# Altium PCB F21-SEND-CTM - BOM.PcbDoc
Units mm, origin at the board's own origin, x right, y up, seen from the top; angles counter-clockwise.
Board outline 337.44 x 192.41 mm, 2 copper layers (Top Layer, Bottom Layer); 49 components, 1 nets, 160 pads, 250 vias.
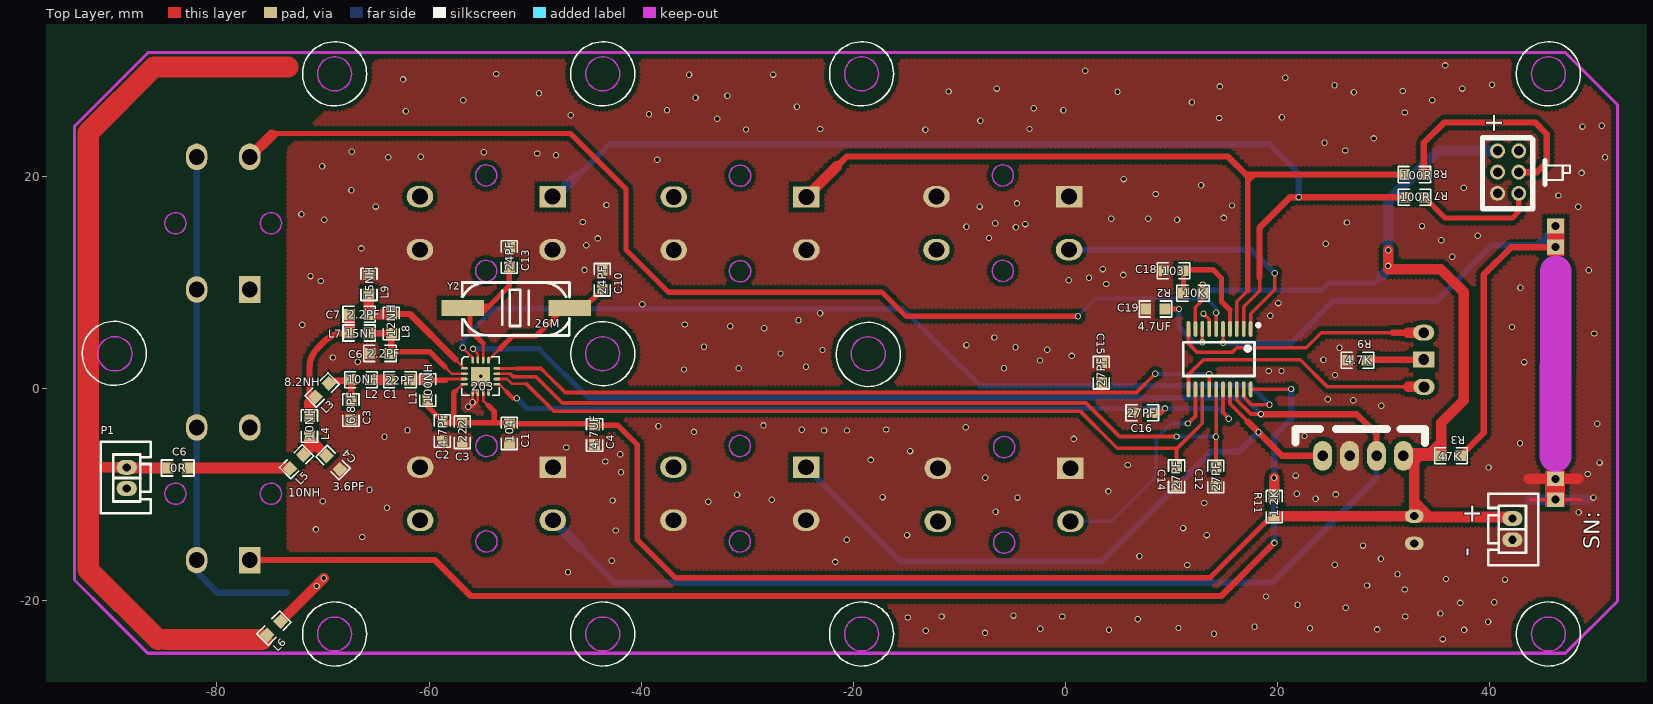
[diagram p0: Top Layer view]
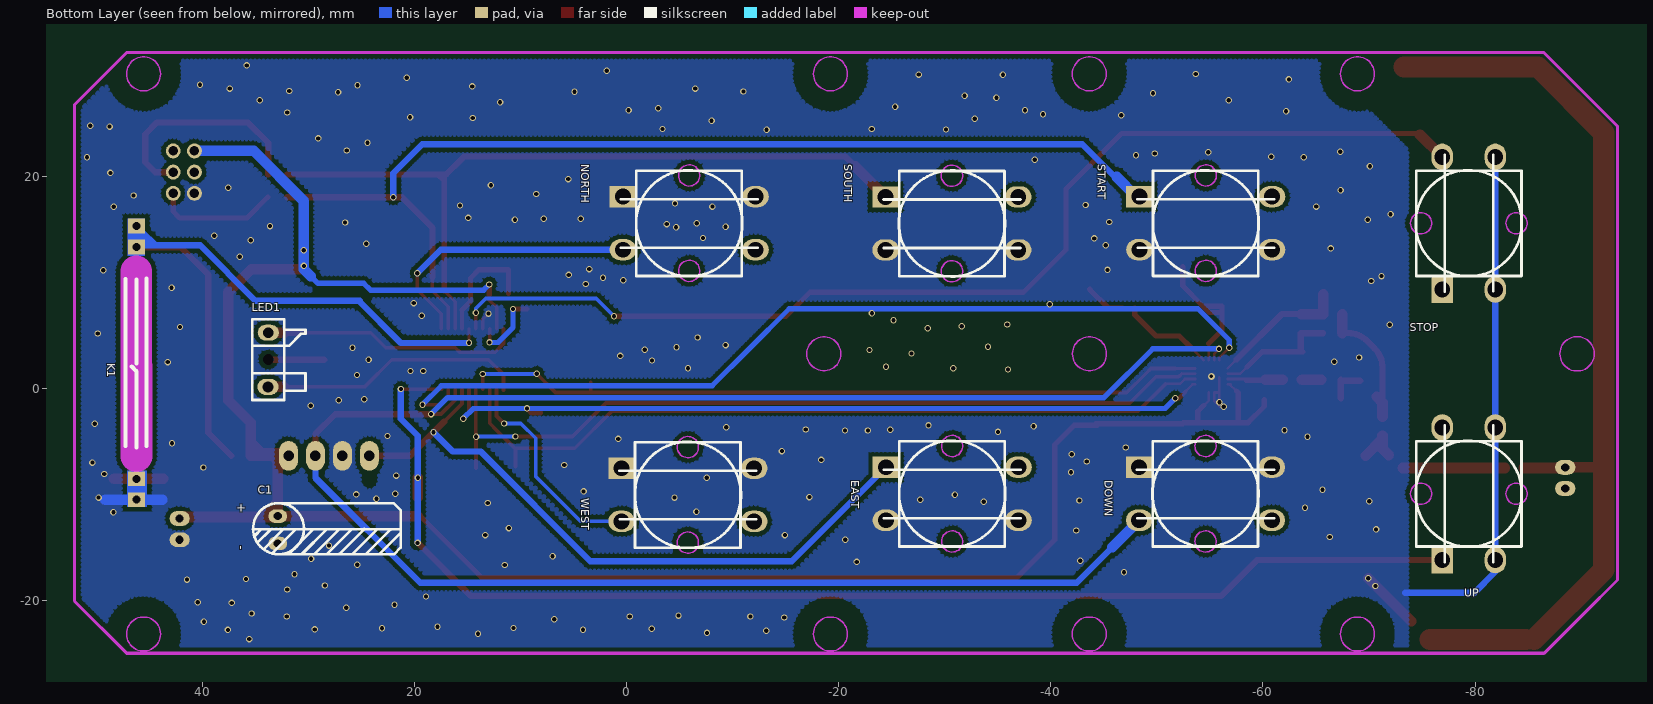
[diagram p1: Bottom Layer view, seen from below]

## Layer stack, top to bottom
Top Layer: signal copper 0.0356
Dielectric: dielectric 0.32, FR-4, Dk 4.8
Bottom Layer: signal copper 0.0356

## Board outline
-171.072,-92.295 166.367,-92.295 166.367,100.11 -171.072,100.11

## Design rules (kind name [scope] priority, off if disabled: settings)
Clearance Clearance_1 [InNamedPolygon('Bottom Layer-No Net')] p1: gap=0.4
Clearance [All] p2: gap=0.4
PolygonConnect PolygonConnect_1 [All vs IsNamedPolygon('Bottom Layer-No Net')] p1: connectstyle=Direct reliefconductorwidth=0.254 reliefentries=4 polygonreliefangle="90 Angle"
PolygonConnect [All] p2: connectstyle=Relief reliefconductorwidth=0.254 reliefentries=4 polygonreliefangle="90 Angle"
RoutingVias [All] p1: holewidth=0.457 width=0.762 viastyle="Through Hole" minholewidth=0.457 minwidth=0.762 maxholewidth=0.711 maxwidth=1.27
SilkscreenOverComponentPads [All] p1: minsilkscreentomaskgap=0.254
SolderMaskExpansion [All] p1: expansion=0.102
Width [All] p1: maxlimit=3 minlimit=0.203 preferedwidth=0.508
27 further rules are at their usual default settings.

## Classes and differential pairs
component class 手板8按键20150914: L6 P1

## Components (designator, comment, footprint, x,y, rotation, side; value= is the part's Value field where it differs from the comment)
C1 "Cap Pol2" EE 32.842,-13.233 r180 bottom (schematic designator C15)
C1 "Cap" SMD-R1 -63.652,0.838 r0 top (schematic designator C12)
C1 "Cap" SMD-R1 -52.426,-5.105 r90 top (schematic designator C12)
C2 "Cap" SMD-R1 -58.75,-4.902 r90 top (schematic designator C12)
C3 "Cap" SMD-R1 -67.361,-2.921 r90 top (schematic designator C12)
C3 "Cap" SMD-R1 -56.871,-5.004 r90 top (schematic designator C12)
C4 "Cap" SMD-R1 -68.402,-7.595 r135 top (schematic designator C12)
C4 "Cap" SMD-R1 -44.399,-5.258 r90 top (schematic designator C12)
C6 "Cap" SMD-R1 -82.779,-7.468 r180 top (schematic designator C12)
C6 "Cap" SMD-R1 -65.532,3.327 r0 top (schematic designator C12)
C7 "Cap" SMD-R1 -67.488,7.01 r0 top (schematic designator C12)
C10 "Cap" SMD-R1 -43.663,9.373 r90 top (schematic designator C12)
C12 "Cap" SMD-R1 14.173,-7.366 r270 top
C13 "Cap" SMD-R1 -52.426,11.506 r90 top (schematic designator C12)
C14 "Cap" SMD-R1 10.465,-7.341 r270 top (schematic designator C12)
C15 "Cap" SMD-R1 3.378,2.413 r270 top (schematic designator C12)
C16 "Cap" SMD-R1 6.325,-2.261 r0 top (schematic designator C12)
C18 "Cap" SMD-R1 9.271,11.125 r0 top (schematic designator C12)
C19 "Cap" SMD-R1 7.569,7.518 r0 top (schematic designator C12)
DOWN "SW-PB" SW1 -54.583,-9.895 r180 bottom locked (schematic designator S1)
EAST "SW-PB" SW1 -30.707,-9.895 r180 bottom locked (schematic designator S1)
K1 "Relay-SPST" FS 46.203,2.438 r90 bottom
L1 "Cap" SMD-R1 -60.122,-1.016 r90 top (schematic designator C12)
L2 "Cap" SMD-R1 -65.507,0.864 r180 top (schematic designator C12)
L3 "Cap" SMD-R1 -70.714,-0.762 r45 top (schematic designator C12)
L4 "Cap" SMD-R1 -71.272,-4.42 r90 top (schematic designator C12)
L5 "Cap" SMD-R1 -73.127,-7.518 r45 top (schematic designator C12)
L6 "Cap" SMD-R1 -75.26,-23.199 r45 top (schematic designator C12)
L7 "Cap" SMD-R1 -67.488,5.258 r0 top (schematic designator C12)
L8 "Cap" SMD-R1 -63.551,5.232 r90 top (schematic designator C12)
L9 "Cap" SMD-R1 -65.659,8.941 r90 top (schematic designator C12)
LED1 "LEDD" LED3 33.759,2.75 r270 bottom locked
NORTH "SW-PB" SW1 -5.917,15.606 r180 bottom locked (schematic designator S1)
P1 "Header 2" CN02 -88.494,-8.407 r90 top
P5 "CN02" cn02 42.113,-13.233 r270 top
R2 "Cap" SMD-R1 12.929,9.017 r180 top (schematic designator C12)
R3 "Cap" SMD-R1 37.236,-6.325 r180 top (schematic designator C12)
R7 "Cap" SMD-R1 33.807,18.059 r180 top (schematic designator C12)
R8 "Cap" SMD-R1 33.78,20.193 r180 top (schematic designator C12)
R9 "Cap" SMD-R1 28.423,2.693 r180 top (schematic designator C12)
R11 "Cap" SMD-R1 19.66,-10.211 r270 top (schematic designator C12)
SOUTH "SW-PB" SW1 -30.682,15.581 r180 bottom locked (schematic designator S1)
START "SW-PB" SW1 -54.609,15.606 r180 bottom locked (schematic designator S1)
STOP "SW-PB" SW1 -79.399,15.606 r90 bottom (schematic designator S1)
UP "SW-PB" SW1 -79.399,-9.895 r90 bottom locked (schematic designator S1)
WEST "SW-PB" SW1 -5.79,-9.997 r180 bottom locked (schematic designator S1)
Y2 "12MHZ" 晶振贴片 -46.736,7.62 r90 top
烧? "Header 5" XH-5A 29.312,-6.325 r180 top
? "Comment" LC-TSSOP-24 13.868,2.794 r180 top

## Footprints (in the part's own frame and the unit in brackets; to place one, negate y for a bottom-side part, rotate by r counter-clockwise, add the part's x,y. Pads: shape width x height; smd on the part's side, far side on the other; paste and mask are expansions set on the pad)
CN02 [mm]
  oval 1.4x1.905 hole 0.762: 1(-1,0) 2(1,0)
  silkscreen extent -3.33,-2.27 3.4,2.44
cn02 [mm]
  oval 1.4x1.905 hole 0.762: 1(-1,0) 2(1,0)
  silkscreen extent -3.33,-2.27 3.4,2.44
EE [mil]
  oval 70x50 hole 30: 1(-0.98,48.1) 2(-0.98,-53.15)
  silkscreen extent -93,-94 455,97
FS [mil]
  rect 55x62.99 hole 30: 1(-507.71,-1.46) 1(-430.21,-1.46) 2(429.58,-1.46) 2(507.71,-1.46)
  Multi-Layer region: 535.43,33 535.43,-33 397,-33 397,33
  Multi-Layer region: -399,34 -399,-40 -535.43,-40 -535.43,34
  silkscreen extent -314,-38 314,40
LC-TSSOP-24 [mm]
  oval 0.35x1.5 smd: 7(0.325,-2.85) 8(0.975,-2.85) 9(1.625,-2.85) 14(0.325,2.85) 15(-0.325,2.85) 16(-0.975,2.85) 19(-2.925,2.85) 20(-3.575,2.85) EMER(-0.975,-2.85) KEY(-3.575,-2.85) KEY(-0.325,-2.85) key(1.625,2.85) led1(2.275,-2.85) led2(2.275,2.85) NRST(-1.625,-2.85) RXD(-2.275,-2.85) sdio(0.975,2.85) SWCLK(-2.275,2.85) SWDIO(-1.625,2.85) TXD(-2.925,-2.85)
  silkscreen extent -4.45,-3.35 2.76,1.6
LED3 [mm]
  oval 1.5x2 hole 1.016: 1(-2.54,0) 2(2.572,-0.021)
  rect 0x0 / inner rect 0x0 / far side rect 1.5x2 hole 1.016: 3(0,0)
  silkscreen extent -3.8,-1.51 3.8,3.5
SMD-R1 [mil]
  rect 40x40 smd: 1(0,0) 2(71.25,0)
  silkscreen extent -25,-30 96,30
SW1 [mm]
  rect 2.5x2 hole 1.5: 1(-6.25,2.5)
  oval 2.5x2 hole 1.5: 1(6.25,2.5) 2(-6.25,-2.5) 2(6.25,-2.5)
  Keep-Out Layer circle w0.127: c0,-4.5 r1
  Keep-Out Layer circle w0.127: c0,4.5 r1
  silkscreen extent -6.46,-5 6.46,5
XH-5A [mil]
  oval 70x110 hole 39: 2(100,0) 3V3(-100,0) SWCLK(0,0) SWDIO(200,0)
  silkscreen extent -180,-100 300,-47
晶振贴片 [mm]
  rect 1.5x4 smd: 1(-0.007,-0.007) 2(-0.007,10.105)
  silkscreen extent -2.6,-0.01 2.4,10.16

## Free pads (board coordinates)
  oval 0.65x0.25 smd: 1(-56.667,1.918) 2(-56.667,1.418) 3(-56.667,0.918) 4(-56.667,0.418) CSB(-53.617,1.418) FCSB(-53.617,1.918) SCLK(-53.617,0.418) SDIO(-53.617,0.918)
  round 1.4 hole 0.9: 1(40.723,20.422) 4(42.723,22.422) +(40.723,22.422) GND(40.723,18.422) RXD(42.723,20.422) TXD(42.723,18.422)
  oval 0.25x0.65 smd: 5(-55.892,-0.357) 6(-55.392,-0.357) 7(-54.892,-0.357) 8(-54.392,-0.357) 13(-54.392,2.693) 14(-54.892,2.693) GPIO1(-55.892,2.693) GPIO2(-55.392,2.693)
  rect 1.8x1.8 smd: 17(-55.142,1.168)

## Via types
v1: diameter 0.6, hole 0.4, Top Layer to Bottom Layer, 249 vias
v2: diameter 0.66, hole 0.33, Top Layer to Bottom Layer, tented top, 1 vias

## Nets (pads, with @x,y where several pads share a name; then routed paths per layer and width w, separated by ;. In a path a pad name is that pad's centre, name@x,y a point inside that pad or via, vN(x,y) a via of type N, cw(c..) or ccw(c..) an arc to the next point about the centre after c; other vN are vias at no path point)
GND: ?.7 C1.1@-52.426,-5.105 C1.2@32.867,-14.583 C2.1 C3.1 C4.1 C6.1@-65.532,3.327 C10.2 C12.2 C13.2 C14.2 C15.1 C16.1 C18.1 C19.1 DOWN.1 EAST.2 K1.1@46.166,-10.457 L9.2 NORTH.1 P5.2 pad.5 pad.6 pad.17 pad.GND R9.2 SOUTH.2 START.2 STOP.2 UP.2 WEST.1 烧?.2 | length 63.6
  Top Layer w0.25: pad.5 v1(-55.892,-1.282) v1(-56.312,-1.702) -55.931,-1.702 -55.392,-1.163 pad.6
  Top Layer w0.32: v1(13.005,7.087) 13.543,6.548 ?.7 ; 43.822,-10.457 46.166,-10.457 48.56,-10.457
  Bottom Layer w0.6: STOP.2@-81.899,21.856 -81.899,9.356 -81.899,-3.645 -81.899,-16.145 -81.899,-17.263 -79.934,-19.228 -73.397,-19.228
  Bottom Layer w1: 43.763,-10.457 46.166,-10.457 49.103,-10.457
  other v1: 35.56,-23.597 13.995,-23.089 -7.595,-23.012 -13.183,-22.809 37.567,-22.733 4.089,-22.708 29.385,-22.682 -2.388,-22.631 23.038,-22.583 10.643,-22.555 17.805,-22.428 39.827,-21.955 6.807,-21.717 -14.884,-21.565 -11.684,-21.463 -0.305,-21.463 32.029,-21.463 -4.902,-21.383 35.331,-21.184 26.416,-20.65 21.869,-20.371 37.211,-20.183 40.411,-20.117 18.898,-19.583 31.97,-18.924 -70.597,-18.593 28.423,-18.542 41.427,-17.989 35.865,-17.932 -69.926,-17.865 31.293,-17.475 -46.901,-17.297 11.481,-16.612 25.375,-16.583 -21.717,-16.318 -42.774,-16.205 29.725,-16.027 6.96,-15.783 28.042,-14.783 -20.625,-14.224 -66.294,-13.97 -14.935,-13.792 13.31,-13.793 -42.393,-13.36 -70.663,-13.258 11.081,-13.132 48.362,-11.633 -6.597,-11.582 -63.957,-11.227 13.081,-10.77 -33.68,-10.643 -70.028,-10.61 -42.697,-10.528 -27.686,-10.457 23.571,-10.363 -4.529,-10.262 49.759,-10.262 -17.247,-10.211 -30.963,-9.982 25.464,-9.957 21.793,-9.906 4.041,-9.677 -65.608,-9.525 -7.569,-8.382 21.692,-8.183 49.225,-8.035 -41.91,-7.874 39.878,-7.417 5.867,-7.188 50.343,-6.96 -43.397,-6.858 -18.364,-6.706 -41.986,-6.172 -14.656,-5.879 -47.066,-5.537 42.841,-5.127 0.762,-4.724 -64.197,-4.521 22.53,-4.458 -35.027,-4.064 -22.758,-3.937 -20.597,-3.937 -62.026,-3.912 -24.867,-3.873 -16.891,-3.845 -9.397,-3.632 -38.377,-3.531 -28.473,-3.454 50.114,-3.288 29.769,-1.6 27.127,-1.092 24.714,-0.983 25.403,1.295 19.152,1.676 20.36,1.676 -35.966,1.817 -30.81,1.93 -5.797,1.93 -24.46,2.083 43.231,2.515 -66.726,2.548 -2.413,2.667 24.308,2.743 -69.063,2.946 0.583,3.099 -26.873,3.327 -22.911,3.658 -1.727,3.686 25.819,3.861 -4.724,3.912 -34.087,3.962 -9.347,4.115 -6.706,4.826 49.835,5.207 -28.397,5.715 42.088,5.817 -31.598,5.895 -71.94,6.022 -35.89,6.063 -25.171,6.452 19.294,6.883 -23.139,7.112 -39.903,7.976 20.041,8.077 42.875,9.525 3.835,9.881 -70.197,10.16 0.305,10.217 2.21,10.465 -71.171,10.617 5.436,10.731 49.327,11.176 -45.339,11.201 3.505,11.278 36.449,12.45 -66.38,13.233 -45.187,13.538 24.536,13.665 35.403,13.995 -44.094,14.173 -7.214,14.217 38.862,14.427 -4.678,15.215 -9.347,15.265 33.604,15.334 -3.797,15.519 -6.629,15.606 26.518,15.672 -45.507,15.723 -69.878,15.926 10.516,15.926 4.318,16.027 7.785,16.027 14.91,16.104 -72.029,16.459 48.336,17.159 -65.024,17.17 -8.103,17.17 15.696,17.272 -43.282,17.323 -4.572,17.475 46.457,18.217 8.509,18.364 -67.316,18.72 37.541,18.948 12.776,19.177 5.486,19.761 48.641,20.345 -70.079,20.98 -38.481,21.593 -63.856,21.817 50.851,21.817 -60.782,21.869 -48.031,22.022 -49.797,22.174 -54.84,22.301 -67.285,22.352 26.365,22.454 24.409,23.199 29.048,23.597 -13.213,24.409 -30.124,24.435 -23.114,24.486 -3.397,24.486 48.717,24.714 50.546,24.79 -8.026,25.273 -32.842,25.451 14.478,25.527 20.396,25.603 -46.634,25.781 -39.268,25.883 31.97,26.035 -62.179,26.159 -37.567,26.264 -0.203,26.264 -2.997,26.441 -25.324,26.594 11.913,27.017 -56.769,27.203 34.569,27.203 -34.874,27.432 -31.877,27.61 -49.63,27.864 27.178,27.94 4.902,27.991 -11.024,28.016 31.775,28.067 -6.477,28.296 37.389,28.296 14.529,28.499 25.349,28.617 40.203,28.651 -62.443,29.159 20.701,29.312 -35.486,29.591 -27.559,29.616 -53.67,29.667 1.857,29.972 35.789,30.48
  other v2: -55.142,1.168
pads on no net: ?.8 ?.9 ?.14 ?.15 ?.16 ?.19 ?.20 ?.EMER ?.key ?.KEY ?.led1 ?.led2 ?.NRST ?.RXD ?.sdio ?.SWCLK ?.SWDIO ?.TXD C1.1@32.867,-12.012 C1.1@-63.652,0.838 C1.2@-52.426,-3.296 C1.2@-61.843,0.838 C2.2 C3.2 C4.2 C6.1@-82.779,-7.468 C6.2 C7.1 C7.2 C10.1 C12.1 C13.1 C14.1 C15.2 C16.2 C18.2 C19.2 DOWN.2 EAST.1 K1.1@46.166,-8.489 K1.2 L1.1 L1.2 L2.1 L2.2 L3.1 L3.2 L4.1 L4.2 L5.1 L5.2 L6.1 L6.2 L7.1 L7.2 L8.1 L8.2 L9.1 LED1.1 LED1.2 LED1.3 NORTH.2 P1.1 P1.2 P5.1 R2.1 R2.2 R3.1 R3.2 R7.1 R7.2 R8.1 R8.2 R9.1 R11.1 R11.2 SOUTH.1 START.1 STOP.1 UP.1 WEST.2 Y2.1 Y2.2 烧?.3V3 烧?.SWCLK 烧?.SWDIO
copper on no net: | length 1802.6
  Top Layer w0.25: -60.122,0.794 -59.997,0.918 -57.023,0.918 ; -58.504,2.057 -57.865,1.418 -56.667,1.418 ; -57.543,2.794 -56.667,1.918 ; -57.506,-0.229 -56.859,0.418 -56.667,0.418 -56.933,0.418 ; -57.375,0.918 -56.667,0.918 ; v1(-56.82,3.861) -55.892,2.933 -55.892,2.693 ; -55.892,1.079 -55.892,-0.357 -55.392,-0.357 ; v1(-55.855,3.759) -55.392,3.297 -55.392,2.693 ; -55.575,4.953 -54.892,4.27 -54.892,2.693 ; -54.892,-0.357 -54.892,-1.09 -53.848,-2.134 -53.848,-3.194 ; -54.392,2.693 -53.301,3.785 ; -53.617,0.418 -53.352,0.418 -52.045,-0.889 v1(-51.74,-0.889) ; -53.617,0.918 -52.633,0.918 -52.172,0.457 -50.8,0.457 ; -53.617,1.418 -52.349,1.418
  Top Layer w0.253: -53.617,1.918 -51.791,1.918
  Top Layer w0.32: -24.432,18.081 -20.618,21.895 13.487,21.895 ; 12.243,5.644 12.243,7.67 12.929,8.355 12.929,8.839 ; 12.893,5.644 v1(12.903,4.369) ; v1(14.843,4.343) 14.843,5.644 ; 16.143,5.644 16.143,8.193 17.17,9.22 17.17,12.37 ; 16.793,-0.056 16.793,-0.766 17.526,-1.499 v1(19.228,-1.499) ; 16.793,5.644 16.793,7.726 18.288,9.22 18.288,10.49 ; 17.443,6.191 17.443,5.644 17.443,7.055 19.71,9.322 v1(19.71,10.897) ; 18.398,20.193 31.97,20.193
  Top Layer w0.35: -52.349,1.418 -52.074,1.143 -49.936,1.143 -47.447,-1.346 1.93,-1.346 5.08,-4.496 v1(10.465,-4.496) ; -51.791,1.918 -49.442,1.918 -48.942,1.418 -47.167,-0.357 2.598,-0.357 6.679,-0.357 v1(8.458,1.422) ; -50.8,0.457 -48.235,-2.108 -25.959,-2.108 -0.635,-2.108 ; -1.092,-2.108 1.372,-2.108 4.877,-5.613 10.465,-5.613 ; 3.378,-0.305 3.378,0.603 ; 10.465,-7.341 10.465,-5.69 12.243,-3.911 12.893,-3.261 12.893,-0.056 ; 11.081,11.125 13.995,11.125 14.681,10.439 14.681,8.814 ; v1(11.532,-3.277) 12.243,-2.565 12.243,-0.056 ; 11.593,-0.056 11.593,-0.141 11.593,1.332 13.005,2.743 16.078,2.743 22.123,2.743 24.689,0.178 33.78,0.178 ; 11.593,5.644 11.593,4.256 12.421,3.429 15.697,3.429 16.129,3.861 22.682,3.861 24.111,5.29 33.759,5.29 ; 13.543,-0.056 v1(13.543,1.388) ; 14.173,-7.493 v1(14.173,-4.521) ; v1@14.193,-4.521 14.193,-0.056 ; 14.193,5.644 v1(14.193,7.163) ; 14.681,8.839 14.681,8.255 15.493,7.443 15.493,5.644 ; 14.843,-0.056 14.843,-2.27 v1(15.392,-2.819) ; 15.493,-0.056 15.493,-1.422 17.164,-3.092 ; 16.143,-0.056 16.143,-1.056 17.475,-2.388 v1(18.415,-2.388) ; 17.443,-0.056 v1@21.229,-0.056
  Top Layer w0.4: -52.705,-0.279 -52.095,-0.889 v1(-51.74,-0.889)
  Top Layer w0.5: -76.899,21.856 -74.701,24.054 -46.66,24.054 -41.427,18.821 -41.427,13.106 -37.414,9.093 -17.297,9.093 -15.037,6.833 v1(1.168,6.833) ; -63.773,3.48 -59.927,3.48 -58.504,2.057 ; -60.122,-1.016 -60.122,-1.676 -58.604,-3.194 -56.871,-3.194 -52.457,-3.194 ; -60.122,0.794 -58.426,0.794 ; -57.683,-3.194 -57.683,-0.406 -57.506,-0.229 ; -56.083,7.188 -54.955,7.188 -54.37,7.772 ; -54.892,4.27 -56.134,5.512 -56.134,7.772 -54.37,7.772 ; -54.407,-1.575 -53.848,-2.134 -53.848,-3.194 ; -53.301,3.785 -52.107,4.978 -49.911,4.978 -47.904,6.985 -47.904,7.62 ; -52.426,-3.296 -50.717,-3.296 -44.221,-3.296 ; -52.426,11.506 -52.426,9.717 -54.37,7.772 ; -46.729,7.613 -45.423,7.613 -43.663,9.373 ; -44.399,-3.448 -42.196,-3.448 -40.386,-5.258 -40.386,-14.224 -36.805,-17.805 -11.201,-17.805 13.64,-17.805 19.434,-12.012 32.867,-12.012 ; 8.134,-2.261 8.966,-2.261 v1(9.373,-1.854) ; 9.379,7.518 v1(10.693,7.518) ; 11.119,9.017 11.119,11.239 13.881,11.239 14.707,10.414 14.707,8.23 15.493,7.443 ; 12.929,8.839 v1(12.929,9.83) ; 17.17,9.22 17.17,12.776 ; 17.17,12.37 17.17,20.015 ; 17.17,18.923 17.17,19.558 17.755,20.142 ; 33.807,18.059 35.763,16.104 42.113,16.104 42.723,16.713 42.723,18.422 ; 37.186,25.07 44.298,25.07 45.364,24.003 45.364,21.361 44.425,20.422 42.723,20.422
  Top Layer w0.6: -76.899,-16.145 -59.445,-16.145 -56.058,-19.533 14.681,-19.533 v1(19.685,-14.529) ; -71.272,-1.321 -71.272,1.996 cw(c-68.732,1.996) -70.528,3.792 -69.807,4.514 cw(c-68.01,2.718) -68.01,5.258 -67.488,5.258 ; -69.176,0.754 -67.564,0.754 ; -67.361,-0.889 ccw(c-67.468,-0.782) -67.316,-0.782 -67.316,0.864 ; -65.653,5.232 -63.551,5.232 -63.551,3.531 ; -63.551,7.042 -61.791,7.042 -57.543,2.794 ; -21.565,20.948 -20.618,21.895 15.291,21.895 17.17,20.015 ; 16.993,20.193 31.97,20.193 ; 17.164,-3.092 20.396,-6.325 24.232,-6.325 ; 18.288,10.49 18.288,15.189 21.158,18.059 v1(21.971,18.059) 31.998,18.059 ; v1(18.415,-2.388) 27.457,-2.388 29.312,-4.242 29.312,-6.325 ; 28.479,2.75 33.759,2.75 ; 30.855,5.29 33.759,5.29 ; 33.78,20.193 33.78,23.188 35.687,25.095 44.272,25.095 45.364,24.003 45.364,21.361 44.425,20.422 42.723,20.422 ; 37.236,-6.325 39.421,-4.14 39.421,10.77 42.001,13.35 46.166,13.35
  Top Layer w1: -91.703,-7.407 -88.494,-7.407 ; -88.433,-7.468 -84.588,-7.468 ; -82.779,-7.468 -73.177,-7.468 ; -76.899,21.856 -74.803,23.952 ; -73.981,-21.919 -69.926,-17.865 ; -71.847,-6.239 -71.272,-5.664 -71.272,-4.42 ; -71.272,-2.61 -71.272,-1.321 -70.714,-0.762 ; -71.171,-4.826 -69.682,-6.315 ; -67.488,5.258 -67.488,7.01 ; -65.678,8.922 -65.678,7.01 -63.608,7.01 ; -65.507,0.864 -63.678,0.864 ; -61.843,0.838 -60.211,0.838 ; -24.432,18.081 -21.565,20.948 ; 19.66,-10.211 v1(19.66,-8.382) ; 19.669,-12.012 32.867,-12.012 32.867,-7.493 31.852,-6.477 31.852,-6.325 35.103,-6.325 ; v1(30.429,13.056) 30.429,11.278 35.382,11.278 37.541,9.119 37.541,-1.092 35.427,-3.207 ; 32.264,5.29 33.759,5.29 ; 32.309,0.178 33.78,0.178 ; 32.334,-6.096 34.366,-6.096 35.427,-5.036 35.427,-3.207 ; 32.664,-12.09 36.474,-12.09 42.034,-12.09 ; 32.867,-8.534 32.867,-6.808 33.35,-6.325 35.427,-6.325 35.427,-3.207 ; 32.983,-10.789 34.284,-12.09 35.23,-12.09 ; 43.668,-8.489 46.166,-8.489 48.306,-8.489
  Top Layer w2: -85.547,-23.647 -92.126,-17.069 -92.126,24.13 -85.928,30.328 -73.304,30.328 ; -84.785,-23.647 -75.743,-23.647
  Bottom Layer w0.25: v1(-55.855,3.759) -50.546,3.759
  Bottom Layer w0.35: -48.153,17.866 -42.981,23.038 ; 0.46,-12.497 4.343,-12.497 8.56,-8.28 8.56,-4.674 9.957,-3.277 v1(11.532,-3.277) ; v1(1.168,6.833) 2.845,8.509 11.887,8.509 13.268,8.509 14.193,7.583 v1(14.193,7.163) ; v1@8.458,1.388 v1(13.543,1.388) ; v1(10.465,-4.496) v1@14.173,-4.496 ; 25.146,8.306 34.9,8.306 39.944,13.35
  Bottom Layer w0.5: v1(-56.82,3.861) -56.82,4.597 -53.873,7.544 -39.345,7.544 -29.312,7.544 ; v1(-55.855,3.759) -49.606,3.759 -45.009,-0.838 8.458,-0.838 16.866,-0.838 v1(18.415,-2.388) ; v1(-51.74,-0.889) -50.775,-1.854 6.553,-1.854 ; -29.54,7.544 -15.342,7.544 -11.557,3.759 -8.077,0.279 17.45,0.279 v1(19.228,-1.499) ; 5.639,-1.854 14.427,-1.854 v1(15.392,-2.819) ; v1(10.693,7.518) 10.693,5.766 12.09,4.369 v1(12.903,4.369) ; v1(12.929,9.83) 13.462,9.296 24.13,9.296 24.765,9.931 29.083,9.931 30.429,11.278 v1@30.429,12.903
  Bottom Layer w0.6: -48.333,-12.395 -44.091,-16.637 ; -45.989,20.03 -42.981,23.038 19.253,23.038 21.971,20.32 v1(21.971,18.059) ; -44.41,-16.318 -42.44,-18.288 19.431,-18.288 29.312,-8.407 29.312,-6.325 ; -24.457,-7.395 -15.596,-16.256 -0.94,-16.256 3.404,-16.256 13.741,-5.918 16.358,-5.918 v1(18.186,-4.089) ; 0.333,13.106 8.661,13.106 17.501,13.106 v1(19.71,10.897) ; v1@14.843,4.318 21.26,4.318 25.248,8.306 ; v1@19.66,-14.503 19.66,-7.671 ; v1(19.66,-8.382) 19.66,-4.42 21.26,-2.819 v1(21.26,-0.025) ; 25.146,8.306 34.976,8.306 40.183,13.513 46.003,13.513 46.166,13.35 ; 42.621,13.513 44.374,13.513 45.72,14.859 ; 44.577,13.716 45.237,13.716 45.618,14.097
  Bottom Layer w1: -48.358,18.106 -48.061,18.106 -46.203,19.964 ; -48.333,-12.395 -45.782,-14.946 ; 29.756,10.604 30.429,11.278 30.429,12.903 30.429,17.704 35.147,22.422 40.723,22.422
  other v1: 30.404,11.582

## Polygon pours and split planes (outlines as drawn)
GND on Top Layer "Bottom Layer-No Net" (hatched 90Degree grid 0.4 track 0.4, remove dead copper, pour order 2): -73.304,-18.872 -73.304,21.641 -73.304,22.504 -63.881,31.928 -63.647,31.694 47.097,31.694 47.097,31.547 52.024,26.619 52.024,-20.01 52.024,-20.34 47.422,-24.943 47.346,-25.019 -73.635,-25.019 -73.635,-18.263 -73.457,-18.085
GND on Bottom Layer "Bottom Layer-No Net" (hatched 90Degree grid 0.4 track 0.4, remove dead copper, pour order 4): -73.533,-24.486 -73.635,-24.384 -73.635,22.422 -73.635,22.504 -64.364,31.775 -64.282,31.694 47.097,31.694 52.024,26.766 52.024,-20.01 47.099,-24.935 46.939,-25.095 -73.939,-25.095

## Keep-outs
Top Overlay:
  circle w0.127: c-89.672,3.335 r3.023
  circle w0.127: c45.517,-23.117 r3.023
  circle w0.127: c-19.23,-23.117 r3.023
  circle w0.127: c-43.63,-23.117 r3.023
  circle w0.127: c-68.906,-23.117 r3.023
  circle w0.127: c45.517,29.685 r3.023
  circle w0.127: c-19.23,29.685 r3.023
  circle w0.127: c-43.63,29.685 r3.023
  circle w0.127: c-68.902,29.685 r3.023
  circle w0.127: c-43.624,3.309 r3.023
  circle w0.127: c-18.588,3.233 r3.023
Keep-Out Layer:
  circle w0.127: c-89.612,3.296 r1.621
  circle w0.127: c-43.645,3.297 r1.605
  circle w0.127: c-68.902,29.685 r1.605
  circle w0.127: c-43.63,29.685 r1.605
  circle w0.127: c-19.23,29.685 r1.605
  circle w0.127: c45.517,29.685 r1.605
  circle w0.127: c-18.608,3.295 r1.605
  circle w0.127: c-68.902,-23.117 r1.605
  circle w0.127: c-43.63,-23.117 r1.605
  circle w0.127: c-19.23,-23.117 r1.605
  circle w0.127: c45.517,-23.117 r1.605
  lines w0.305: -91.745,-19.687 -86.489,-24.943 ; -86.494,-24.935 47.099,-24.935 52.024,-20.01 52.024,23.523 ; 47.099,-24.948 -86.494,-24.948 -93.416,-18.027 -93.416,24.755 -86.478,31.694 47.097,31.694 52.024,26.766 52.024,23.35
  lines w3: 46.185,-6.324 46.203,11.074

## Silkscreen, mask and mechanical layers (free items; w line width, h text height)
Top Overlay:
  lines w0.127: -56.92,0.025 -56.92,-0.635 -56.158,-0.635 ; -56.895,2.261 -56.895,2.794 -56.666,3.023 -56.234,3.023 ; -54.126,2.997 -53.364,2.997 -53.364,2.337 ; -54.024,-0.635 -53.364,-0.635 -53.364,0.127
  lines w0.2: 45.234,21.057 47.549,21.057 47.549,20.371 47.523,20.345 46.914,20.345 ; 45.288,19.668 46.855,19.668 46.863,19.676 46.863,21.057
  lines w0.5: 44.044,16.942 44.044,23.47 43.84,23.673 39.294,23.673 39.294,16.967 44.044,16.967 ; 45.187,19.253 45.187,21.488
  text "+" at 41.758,24.054 h3 r90
  text "100R" at 31.648,19.685 h0.8
  text "100R" at 31.496,17.678 h0.8
  text "24PF" at -51.994,11.106 h0.8 r90
  text "103" at 9.068,10.693 h0.8
  text "24PF" at -43.307,8.865 h0.8 r90
  text "10K" at 11.049,8.636 h0.8
  text "15NH" at -65.202,8.433 h0.8 r90
  text "2.2PF" at -67.666,6.617 h0.8
  text "26M" at -50.013,5.74 h0.8
  text "4.7UF" at 6.807,5.486 h0.8
  text "12NH" at -63.17,4.902 h0.8 r90
  text "15NH" at -67.945,4.826 h0.8
  text "2.2PF" at -65.797,2.921 h0.8
  text "4.7K" at 26.365,2.311 h0.8
  text "10NH" at -67.742,0.483 h0.8
  text "22PF" at -64.11,0.356 h0.8
  text "8.2NH" at -73.635,0.217 h0.8
  text "27PF" at 3.759,0.203 h0.8 r90
  text "203" at -56.032,-0.178 h0.8
  text "100NH" at -59.715,-1.422 h0.8 r90
  text "27PF" at 5.803,-2.704 h0.8
  text "6.8PF" at -66.954,-3.353 h0.8 r90
  text "10NH" at -70.87,-4.872 h0.8 r90
  text "222" at -56.439,-5.029 h0.8 r90
  text "104" at -51.994,-5.029 h0.8 r90
  text "4.7PF" at -58.344,-5.527 h0.8 r90
  text "4.7UF" at -44.044,-5.71 h0.8 r90
  text "47K" at 35.128,-6.808 h0.8
  text "0R" at -84.377,-7.874 h0.8
  text "27PF" at 10.82,-9.529 h0.8 r90
  text "3.6PF" at -69.088,-9.627 h0.8
  text "27PF" at 14.603,-9.677 h0.8 r90
  text "10NH" at -73.261,-10.183 h0.8
  text "1.2K" at 20.041,-12.065 h0.8 r90
  text "+" at 37.338,-13.157 h3
  text "SN:" at 50.368,-15.138 h1.52 r90
  text "-" at 39.167,-15.85 h3 r90

## Text inside footprints (layer, text, board x,y; h text height)
C1: Bottom Overlay "+" at 36.617,-11.708 h0.76 r90; Bottom Overlay "-" at 36.642,-15.158 h0.76 r90